# Altium PCB SmartHaloV1_ASCII.PcbDoc (part 1 of 4)
Units mil, origin at the board's own origin, x right, y up, seen from the top; angles counter-clockwise.
Board outline 3022.28 x 2564.81 mil, 4 copper layers (Top Layer, Ground Plane, Power Plane, Bottom Layer), stack 59.692 mil thick; 370 components, 182 nets, 935 pads, 581 vias.
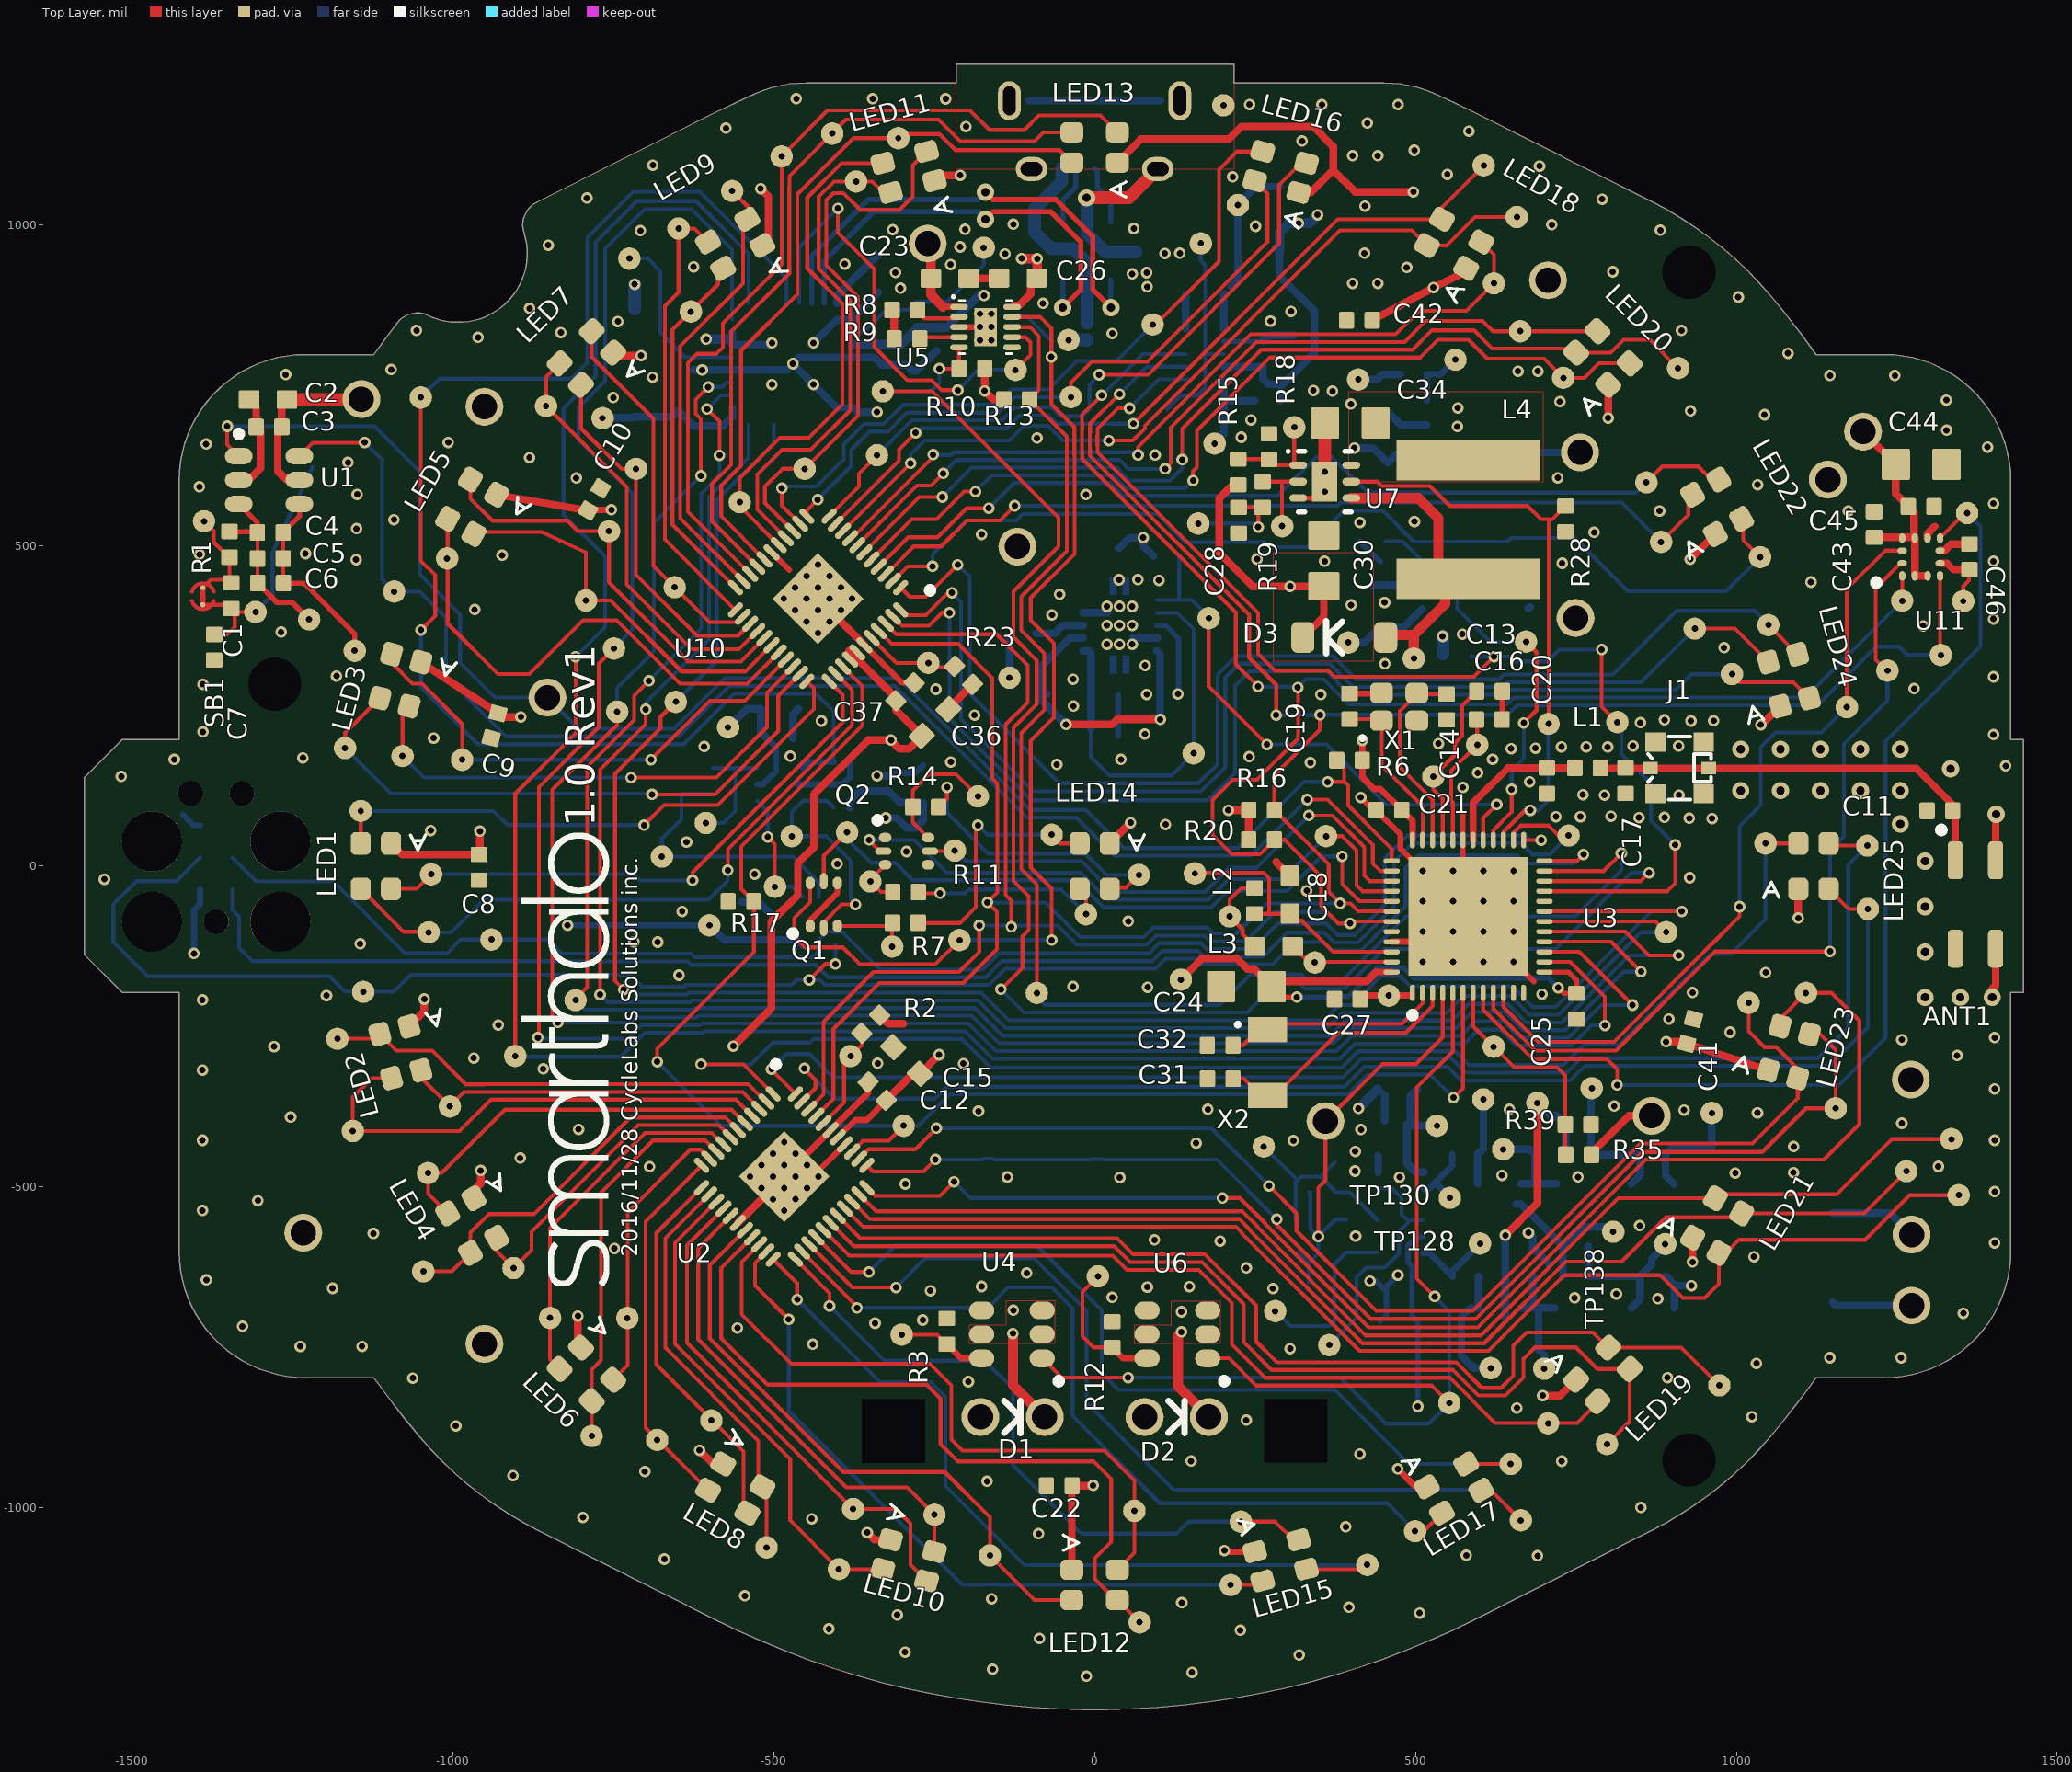
[diagram p0: Top Layer view]
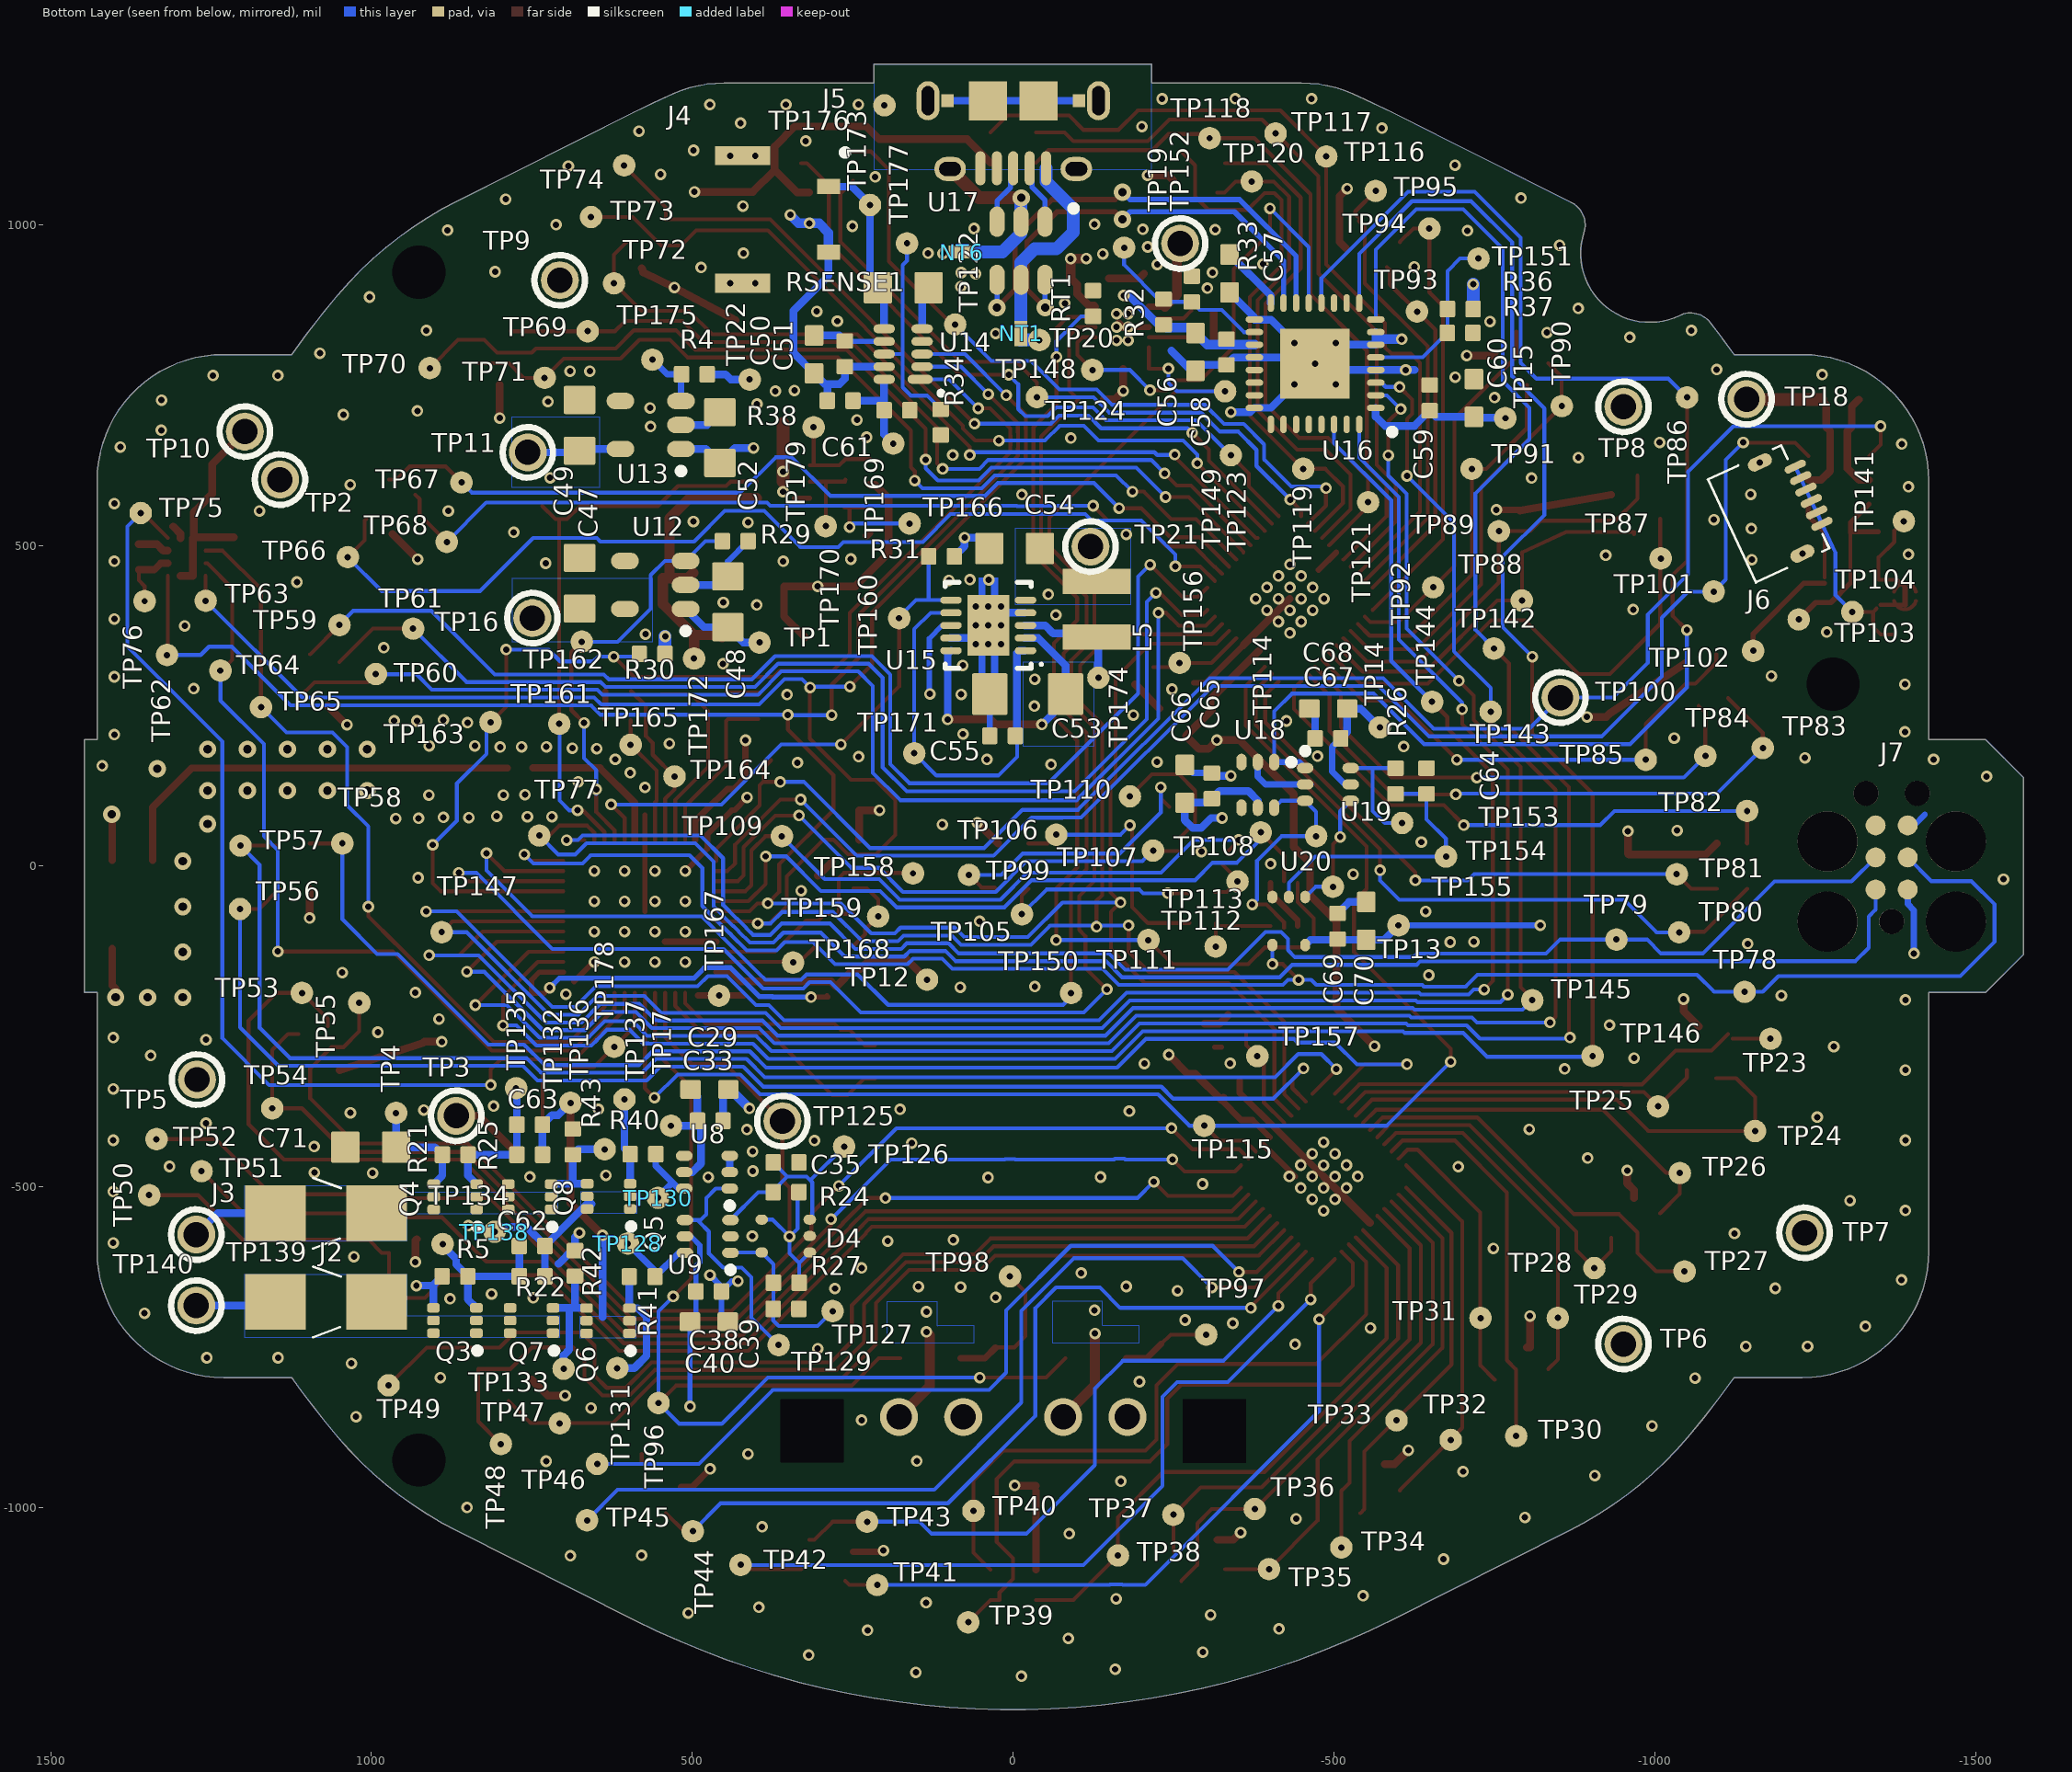
[diagram p1: Bottom Layer view, seen from below]
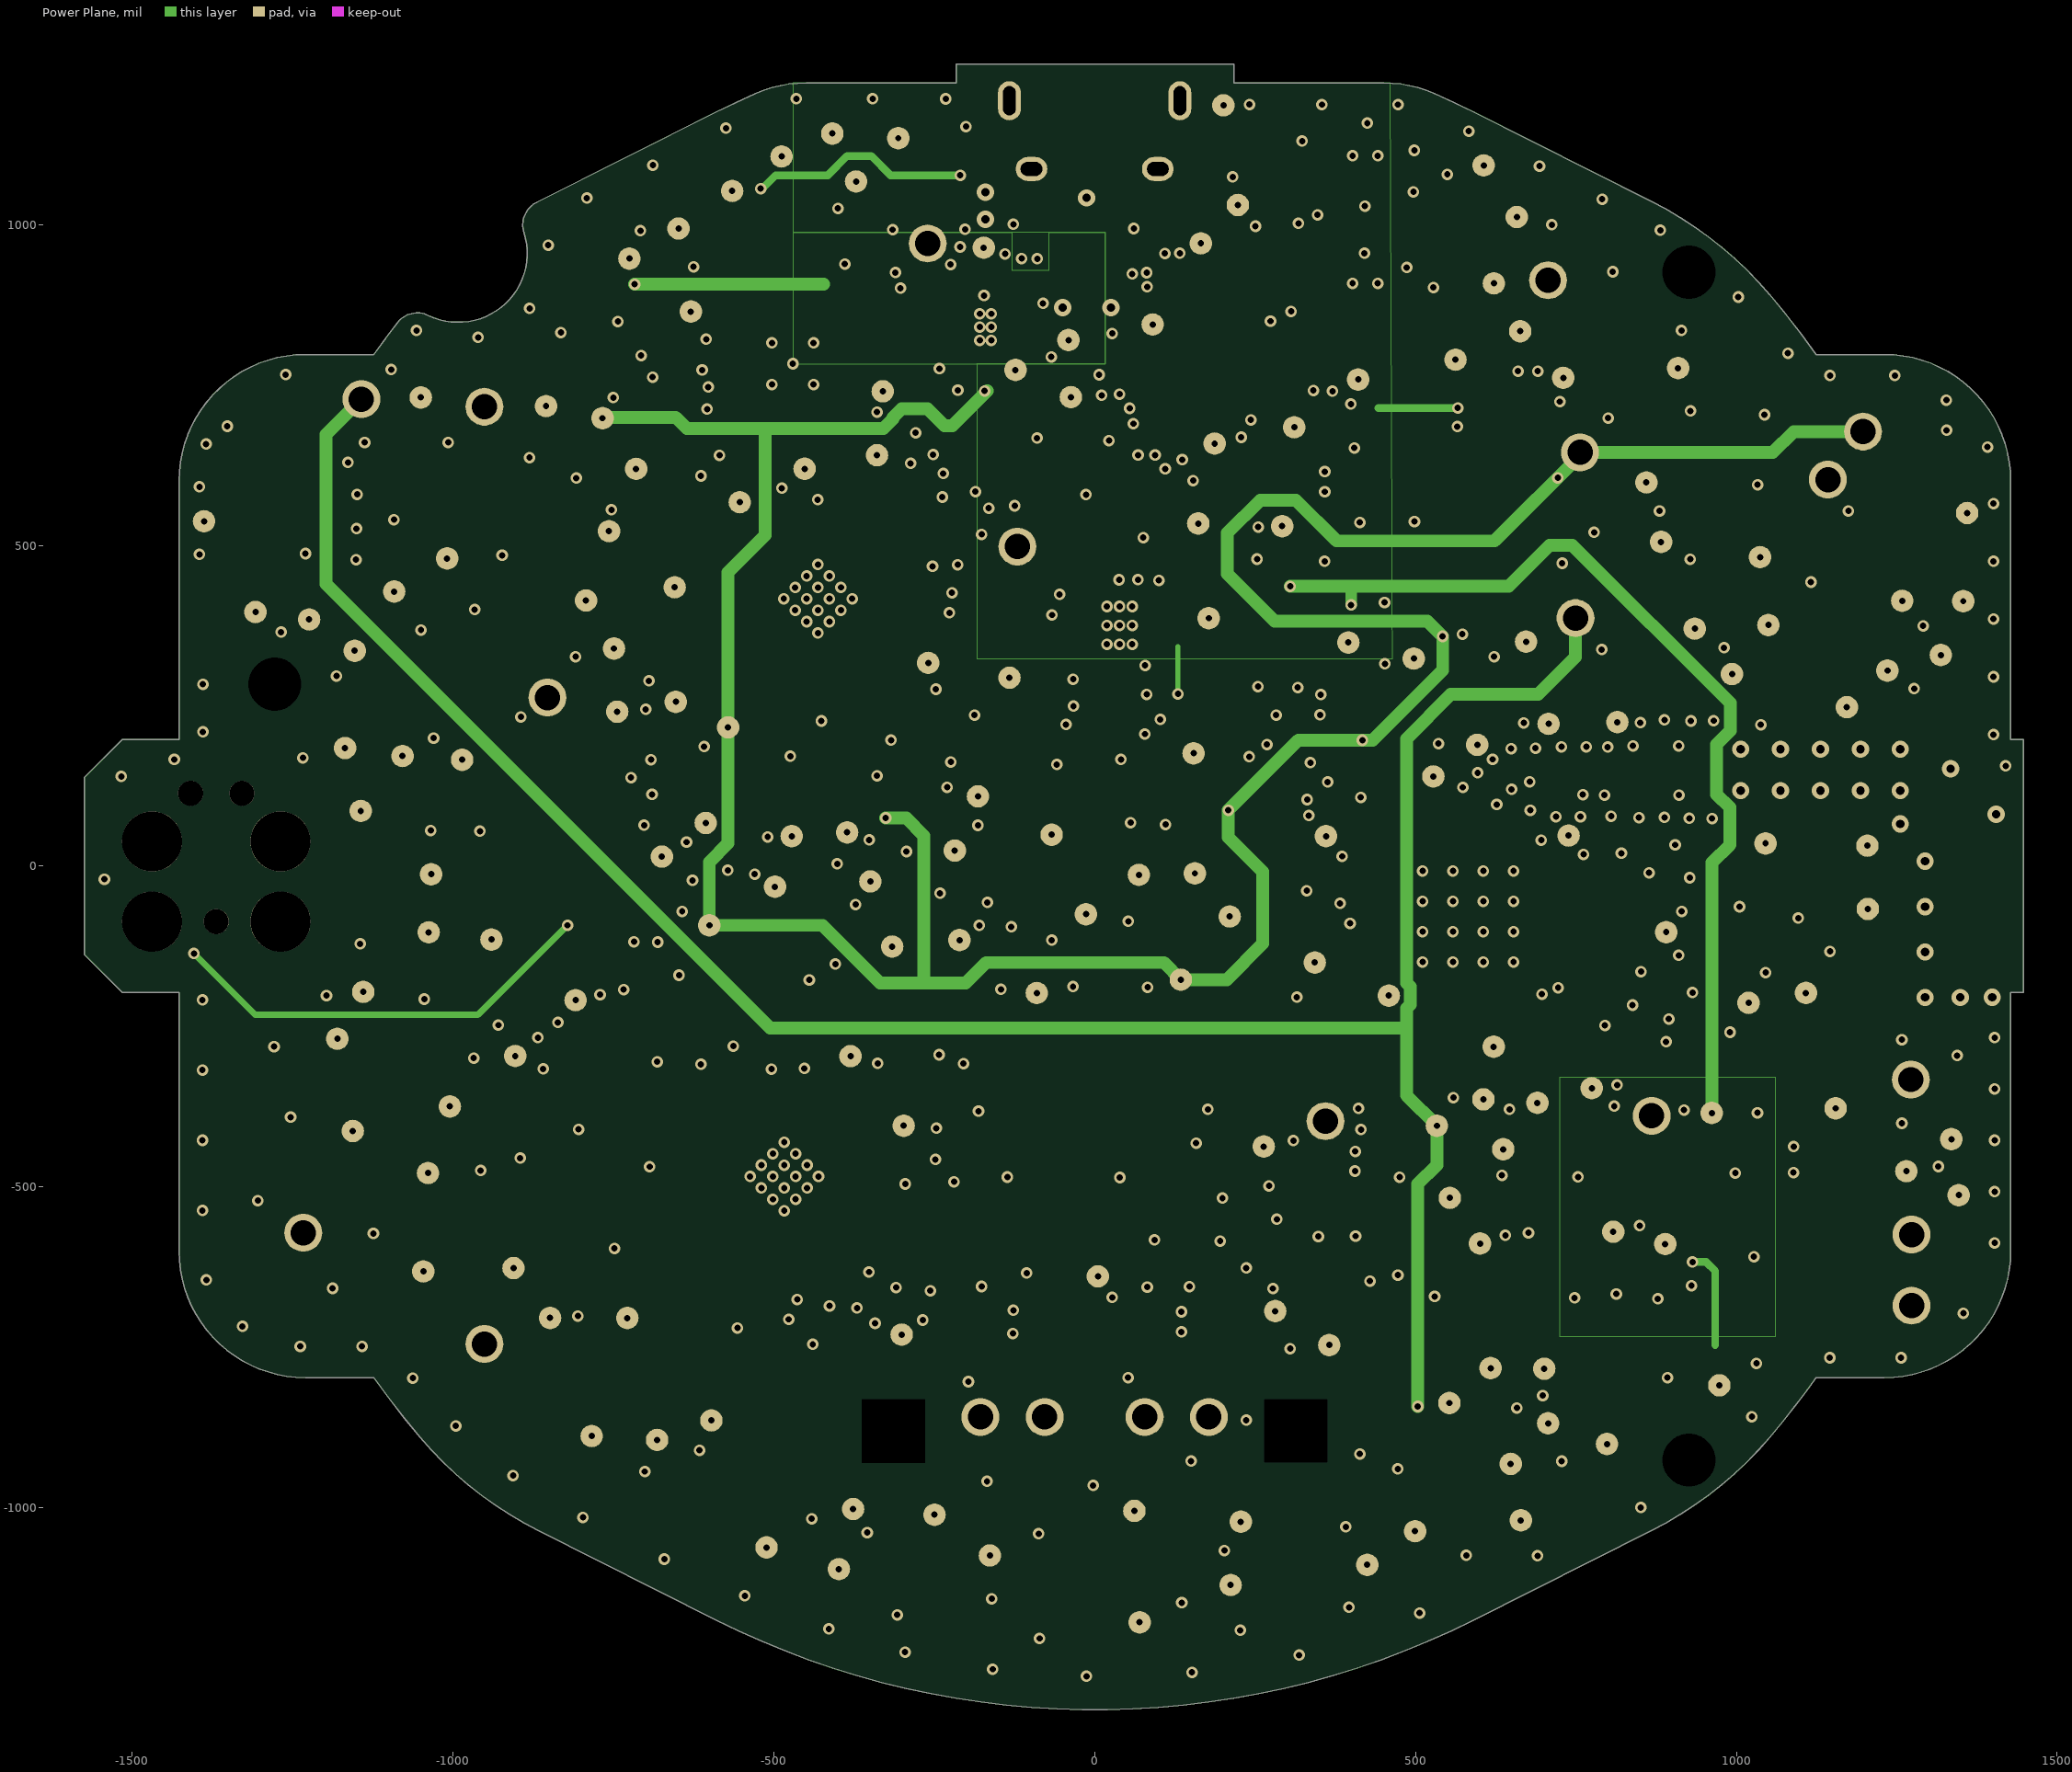
[diagram p2: Power Plane]

## Layer stack, top to bottom
Top Solder: solder mask 1, Solder Resist, Dk 4.8
Top Layer: signal copper 1.38
Prepreg Top: prepreg 6.811, 2116+1080, Dk 4.8
Ground Plane: signal copper 1.38
PCB Core: core 40.55, S1000-2, Dk 4.8
Power Plane: signal copper 1.38
Prepreg Bottom: prepreg 6.811, 2116+1080, Dk 4.8
Bottom Layer: signal copper 1.38
Bottom Solder: solder mask 1, Solder Resist, Dk 4.8

## Board outline
-1515.57,-196.65 -1426.63,-196.65 -1426.63,-600.19 ccw(c-1229.78,-600.19) -1229.78,-797.04 -1123.37,-797.04 ccw(c0.54,0.2) -1051.32,-889.95 ccw(c-600.52,-508.45) -865.74,-1036.1 -590.02,-1174.69 -590.05,-1174.69 ccw(c0.5,0.2) 591.05,-1174.69 591.09,-1174.69 866.81,-1036.1 866.77,-1036.1 ccw(c601.56,-508.45) 1052.35,-889.95 1052.39,-889.95 ccw(c0.54,0.2) 1110.21,-816.73 ccw(c0.54,0.2) 1124.44,-797.04 1230.52,-797.04 1230.52,-797.08 ccw(c1230.52,-599.9) 1427.7,-599.9 1427.7,-196.65 1447.7,-196.65 1447.7,197.05 1427.7,197.05 1427.7,600.59 1427.66,600.59 ccw(c1230.81,600.59) 1230.81,797.44 1124.44,797.44 ccw(c0.54,0.2) 1052.39,890.34 1052.35,890.34 ccw(c601.56,508.85) 866.77,1036.5 866.81,1036.5 591.09,1175.09 ccw(c0.54,0.2) 529.59,1204.04 ccw(c450.39,1023.82) 450.39,1220.67 217.07,1220.67 217.07,1250.2 -216,1250.2 -216,1220.67 -449.32,1220.67 -449.36,1220.67 ccw(c-449.36,1023.82) -528.56,1204.04 -528.52,1204.04 ccw(c0.54,0.2) -590.02,1175.09 -869.49,1034.61 ccw(c-851.81,999.44) -889.33,987.49 -889.36,987.49 cw(c-991.63,954.92) -1038.33,858.3 ccw(c-1055.46,822.85) -1086.52,847.04 -1086.48,847.04 ccw(c0.54,0.2) -1123.37,797.44 -1229.78,797.44 ccw(c-1229.78,600.59) -1426.63,600.59 -1426.63,197.05 -1515.53,197.05 -1574.58,138 -1574.58,-137.6

## Design rules (kind name [scope] priority, off if disabled: settings)
AcuteAngle [All] p0: scope1count=1 scope1_0_kind=Board scope1_0_value=Board scope2count=1 scope2_0_kind=Board scope2_0_value=Board commentlength=0 minimum=6.00000000000000E+0001
AcuteAngle [All] p1: minimum=6.00000000000000E+0001 checktracksonly=TRUE
AssemblyTestPointUsage [All] p0: scope1count=1 scope1_0_kind=Board scope1_0_value=Board scope2count=1 scope2_0_kind=Board scope2_0_value=Board commentlength=0
AssemblyTestPointUsage AssemblyTestPointUsage_Power [All] p0 off: scope1count=1 scope1_0_kind=Board scope1_0_value=Board scope2count=1 scope2_0_kind=Board scope2_0_value=Board commentlength=206 // Protel DXP Scope 1 Expression Was: InNet('VDD_NRF') Or InNet('VLED') OR InNet('PGND') OR InNet('GND') OR InNet('VBZ') OR InNet('VUSB') Or InNet('VBAT') Or InNet('DGND') Or InNet('AGND') Or InNet('S2V8')
AssemblyTestPointUsage AssemblyTestPointUsage_NoTP [All] p0 off: scope1count=1 scope1_0_kind=Board scope1_0_value=Board scope2count=1 scope2_0_kind=Board scope2_0_value=Board commentlength=286 // Protel DXP Scope 1 Expression Was: InNet('ANT') Or InNet('RF') Or InNet('NetC20_2')  Or InNet('P0.09/NFC1') Or InNet('P0.10/NFC2') Or InNet('XC_N') Or InNet('XC_P') Or InNet('XL_N') Or InNet('XL_P') Or InNet('USBD_IN_N') Or InNet('USBD_IN_P') Or InNet('USB_D_N') Or InNet('USB_D_P')
AssemblyTestPointUsage AssemblyTestPointUsage_NoTP [InNet('ANT') Or InNet('RF') Or InNet('NetC20_2')  Or InNet('P0.09/NFC1') Or InNet('P0.10/NFC2') Or InNet('XC_N') Or InNet('XC_P') Or InNet('XL_N') Or InNet('XL_P') Or InNet('USBD_IN_N') Or InNet('USBD_IN_P') Or InNet('USB_D_N') Or InNet('USB_D_P')] p1: valid=1
AssemblyTestPointUsage AssemblyTestPointUsage_Power [InNet('VDD_NRF') Or InNet('VLED') OR InNet('PGND') OR InNet('GND') OR InNet('VBZ') OR InNet('VUSB') Or InNet('VBAT') Or InNet('DGND') Or InNet('AGND') Or InNet('S2V8')] p2: allowmultiple=TRUE
AssemblyTestPointUsage [All] p3:
AssemblyTestpoint AssemblyTestpoint_ShortComponents [All] p0 off: scope1count=1 scope1_0_kind=Board scope1_0_value=Board scope2count=1 scope2_0_kind=Board scope2_0_value=Board commentlength=158 // Protel DXP Scope 1 Expression Was: ((IsPad And (OnTopLayer Or OnBottomLayer)) Or (IsVia) Or (IsPad And OnMultiLayer)) And (IsComponent And (Height < 150))
AssemblyTestpoint AssemblyTestpoint_TallComponents [All] p0 off: scope1count=1 scope1_0_kind=Board scope1_0_value=Board scope2count=1 scope2_0_kind=Board scope2_0_value=Board commentlength=119 // Protel DXP Scope 1 Expression Was: (IsPad And (OnTopLayer Or OnBottomLayer)) Or (IsVia) Or (IsPad And OnMultiLayer)
AssemblyTestpoint AssemblyTestpoint_TP [All] p0: scope1count=1 scope1_0_kind=Component scope1_0_value=TP* scope2count=1 scope2_0_kind=Board scope2_0_value=Board commentlength=0
AssemblyTestpoint AssemblyTestpoint_TP [InComponent('TP*')] p1: testpointundercomponent=TRUE minsize=35 maxsize=59.06 preferedsize=35 minholesize=0 maxholesize=39.37 preferedholesize=10 testpointgrid=1 usegrid=FALSE gridoriginx=2810.98 gridoriginy=2760.98 gridtolerance=0.01 allowsidebottom=TRUE minspacing=83
AssemblyTestpoint AssemblyTestpoint_ShortComponents [((IsPad And (OnTopLayer Or OnBottomLayer)) Or (IsVia) Or (IsPad And OnMultiLayer)) And (IsComponent And (Height < 150))] p2: testpointundercomponent=TRUE minsize=35 maxsize=59.06 preferedsize=35 minholesize=0 maxholesize=39.37 preferedholesize=10 testpointgrid=1 usegrid=FALSE gridoriginx=2810.98 gridoriginy=2760.98 gridtolerance=0.01 allowsidebottom=TRUE minspacing=83 compbodyclearance=40
AssemblyTestpoint AssemblyTestpoint_TallComponents [(IsPad And (OnTopLayer Or OnBottomLayer)) Or (IsVia) Or (IsPad And OnMultiLayer)] p3: testpointundercomponent=TRUE minsize=35 maxsize=59.06 preferedsize=35 minholesize=0 maxholesize=39.37 preferedholesize=10 testpointgrid=1 usegrid=FALSE gridtolerance=0.01 allowsidebottom=TRUE minspacing=83 compbodyclearance=55
BoardOutlineClearance [All] p0: scope1count=1 scope1_0_kind=Board scope1_0_value=Board scope2count=1 scope2_0_kind=Board scope2_0_value=Board commentlength=0 gap=15
BoardOutlineClearance BoardOutlineClearance_Component [All] p0 off: scope1count=1 scope1_0_kind=Board scope1_0_value=Board scope2count=1 scope2_0_kind=Board scope2_0_value=Board commentlength=50 gap=66 // Protel DXP Scope 1 Expression Was: IsComponent
BoardOutlineClearance BoardOutlineClearance_Component [IsComponent] p1: gap=66
BoardOutlineClearance [All] p2: gap=15
Clearance Clearance_SOT563 [All] p0: scope1count=1 scope1_0_kind=Footprint scope1_0_value=SOT563 scope2count=1 scope2_0_kind=Board scope2_0_value=Board commentlength=0 gap=4
Clearance Clearance_Hole_Copper [All] p0 off: scope1count=1 scope1_0_kind=Board scope1_0_value=Board scope2count=1 scope2_0_kind=Board scope2_0_value=Board commentlength=85 gap=8 // Protel DXP Scope 1 Expression Was: (HoleDiameter > 0) And (PadIsPlated = 'False')
Clearance Clearance_QFN-44 [All] p0: scope1count=1 scope1_0_kind=Footprint scope1_0_value=QFN-44 scope2count=1 scope2_0_kind=Board scope2_0_value=Board commentlength=0 gap=4
Clearance [All] p0: scope1count=1 scope1_0_kind=Board scope1_0_value=Board scope2count=1 scope2_0_kind=Board scope2_0_value=Board commentlength=0 gap=6
Clearance Clearance_DFN10 [All] p0: scope1count=1 scope1_0_kind=Footprint scope1_0_value=DFN10 scope2count=1 scope2_0_kind=Board scope2_0_value=Board commentlength=0 gap=4
Clearance Clearance_Hole_Copper [(HoleDiameter > 0) And (PadIsPlated = 'False')] p1: gap=8
Clearance Clearance_QFN-44 [HasFootprint('QFN-44')] p2: gap=4
Clearance Clearance_SOT563 [HasFootprint('SOT563')] p3: gap=4
Clearance Clearance_DFN10 [HasFootprint('DFN10')] p4: gap=4
Clearance [All] p5: gap=6
ComponentClearance [All] p0: scope1count=1 scope1_0_kind=Board scope1_0_value=Board scope2count=1 scope2_0_kind=Board scope2_0_value=Board commentlength=0 gap=10 collisioncheckmode=3
ComponentClearance ComponentClearance_COAXSWITCH [All] p0 off: scope1count=1 scope1_0_kind=Board scope1_0_value=Board scope2count=1 scope2_0_kind=Board scope2_0_value=Board commentlength=88 gap=0 collisioncheckmode=3 // Protel DXP Scope 1 Expression Was: HasFootprint('COAXIAL-SWF') Or InComponent('TP*')
ComponentClearance ComponentClearance_COAXSWITCH [HasFootprint('COAXIAL-SWF') Or InComponent('TP*')] p1: gap=0 collisioncheckmode=3 verticalgap=0 showdistances=FALSE
ComponentClearance [All] p2: gap=10 collisioncheckmode=3 verticalgap=10 showdistances=FALSE
DiffPairsRouting DiffPairsRouting_USB [All] p0 off: scope1count=1 scope1_0_kind=Board scope1_0_value=Board scope2count=1 scope2_0_kind=Board scope2_0_value=Board commentlength=99 // Protel DXP Scope 1 Expression Was: InDifferentialPair('USBD_IN') Or InDifferentialPair('USB_D')
DiffPairsRouting [All] p0 off: scope1count=1 scope1_0_kind=Board scope1_0_value=Board scope2count=1 scope2_0_kind=Board scope2_0_value=Board commentlength=71 // Protel DXP Scope 1 Expression Was: Not InDifferentialPair('BZ_OUT')
DiffPairsRouting DiffPairsRouting_USB [InDifferentialPair('USBD_IN') Or InDifferentialPair('USB_D')] p1: maxlimit=16 minlimit=9 mostfreqgap=11 toplayer_minwidth=7 toplayer_maxwidth=10 toplayer_prefwidth=8 midlayer1_minwidth=7 midlayer1_maxwidth=10 midlayer1_prefwidth=8 midlayer2_minwidth=7 midlayer2_maxwidth=10 midlayer2_prefwidth=8 bottomlayer_minwidth=7 bottomlayer_maxwidth=10 bottomlayer_prefwidth=8 maxuncoupledlength=500
DiffPairsRouting [Not InDifferentialPair('BZ_OUT')] p2: maxlimit=10 minlimit=6 mostfreqgap=8 toplayer_minwidth=6 toplayer_maxwidth=10 toplayer_prefwidth=8 midlayer1_minwidth=6 midlayer1_maxwidth=10 midlayer1_prefwidth=8 midlayer2_minwidth=6 midlayer2_maxwidth=10 midlayer2_prefwidth=8 bottomlayer_minwidth=6 bottomlayer_maxwidth=10 bottomlayer_prefwidth=8 maxuncoupledlength=500
FabricationTestPointUsage [All] p0: scope1count=1 scope1_0_kind=Board scope1_0_value=Board scope2count=1 scope2_0_kind=Board scope2_0_value=Board commentlength=0 valid=0 allowmultiple=FALSE
FabricationTestPointUsage FabricationTestPointUsage_Power [All] p0 off: scope1count=1 scope1_0_kind=Board scope1_0_value=Board scope2count=1 scope2_0_kind=Board scope2_0_value=Board commentlength=206 valid=0 allowmultiple=TRUE // Protel DXP Scope 1 Expression Was: InNet('VDD_NRF') Or InNet('VLED') OR InNet('PGND') OR InNet('GND') OR InNet('VBZ') OR InNet('VUSB') Or InNet('VBAT') Or InNet('DGND') Or InNet('AGND') Or InNet('S2V8')
FabricationTestPointUsage FabricationTestPointUsage_NoTP [All] p0 off: scope1count=1 scope1_0_kind=Board scope1_0_value=Board scope2count=1 scope2_0_kind=Board scope2_0_value=Board commentlength=285 valid=1 allowmultiple=FALSE // Protel DXP Scope 1 Expression Was: InNet('ANT') Or InNet('RF') Or InNet('NetC20_2') Or InNet('P0.09/NFC1') Or InNet('P0.10/NFC2') Or InNet('XC_N') Or InNet('XC_P') Or InNet('XL_N') Or InNet('XL_P') Or InNet('USBD_IN_N') Or InNet('USBD_IN_P') Or InNet('USB_D_N') Or InNet('USB_D_P')
FabricationTestPointUsage FabricationTestPointUsage_NoTP [InNet('ANT') Or InNet('RF') Or InNet('NetC20_2') Or InNet('P0.09/NFC1') Or InNet('P0.10/NFC2') Or InNet('XC_N') Or InNet('XC_P') Or InNet('XL_N') Or InNet('XL_P') Or InNet('USBD_IN_N') Or InNet('USBD_IN_P') Or InNet('USB_D_N') Or InNet('USB_D_P')] p1: valid=1 allowmultiple=FALSE
FabricationTestPointUsage FabricationTestPointUsage_Power [InNet('VDD_NRF') Or InNet('VLED') OR InNet('PGND') OR InNet('GND') OR InNet('VBZ') OR InNet('VUSB') Or InNet('VBAT') Or InNet('DGND') Or InNet('AGND') Or InNet('S2V8')] p2: valid=0 allowmultiple=TRUE
FabricationTestPointUsage [All] p3: valid=0 allowmultiple=FALSE
FabricationTestpoint FabricationTestpoint_ShortComponents [All] p0 off: scope1count=1 scope1_0_kind=Board scope1_0_value=Board scope2count=1 scope2_0_kind=Board scope2_0_value=Board commentlength=158 side=2 testpointundercomponent=TRUE minsize=35 maxsize=59.06 preferedsize=35 minholesize=0 maxholesize=39.37 preferedholesize=10 testpointgrid=1 // Protel DXP Scope 1 Expression Was: ((IsPad And (OnTopLayer Or OnBottomLayer)) Or (IsVia) Or (IsPad And OnMultiLayer)) And (IsComponent And (Height < 150))
FabricationTestpoint FabricationTestpoint_TallComponents [All] p0 off: scope1count=1 scope1_0_kind=Board scope1_0_value=Board scope2count=1 scope2_0_kind=Board scope2_0_value=Board commentlength=119 side=2 testpointundercomponent=TRUE minsize=35 maxsize=59.06 preferedsize=35 minholesize=0 maxholesize=39.37 preferedholesize=10 testpointgrid=1 // Protel DXP Scope 1 Expression Was: (IsPad And (OnTopLayer Or OnBottomLayer)) Or (IsVia) Or (IsPad And OnMultiLayer)
FabricationTestpoint FabricationTestpoint_TP [All] p0: scope1count=1 scope1_0_kind=Component scope1_0_value=TP* scope2count=1 scope2_0_kind=Board scope2_0_value=Board commentlength=0 side=2 testpointundercomponent=TRUE minsize=35 maxsize=59.06 preferedsize=35 minholesize=0 maxholesize=39.37 preferedholesize=10 testpointgrid=1
FabricationTestpoint FabricationTestpoint_TP [InComponent('TP*')] p1: side=2 testpointundercomponent=TRUE minsize=35 maxsize=59.06 preferedsize=35 minholesize=0 maxholesize=39.37 preferedholesize=10 testpointgrid=1 allowsidebottom=TRUE usegrid=FALSE gridtolerance=0.01 minspacing=83